# KiCad board AOML_AB_3.0_reorganized-v1.kicad_pcb (continued)
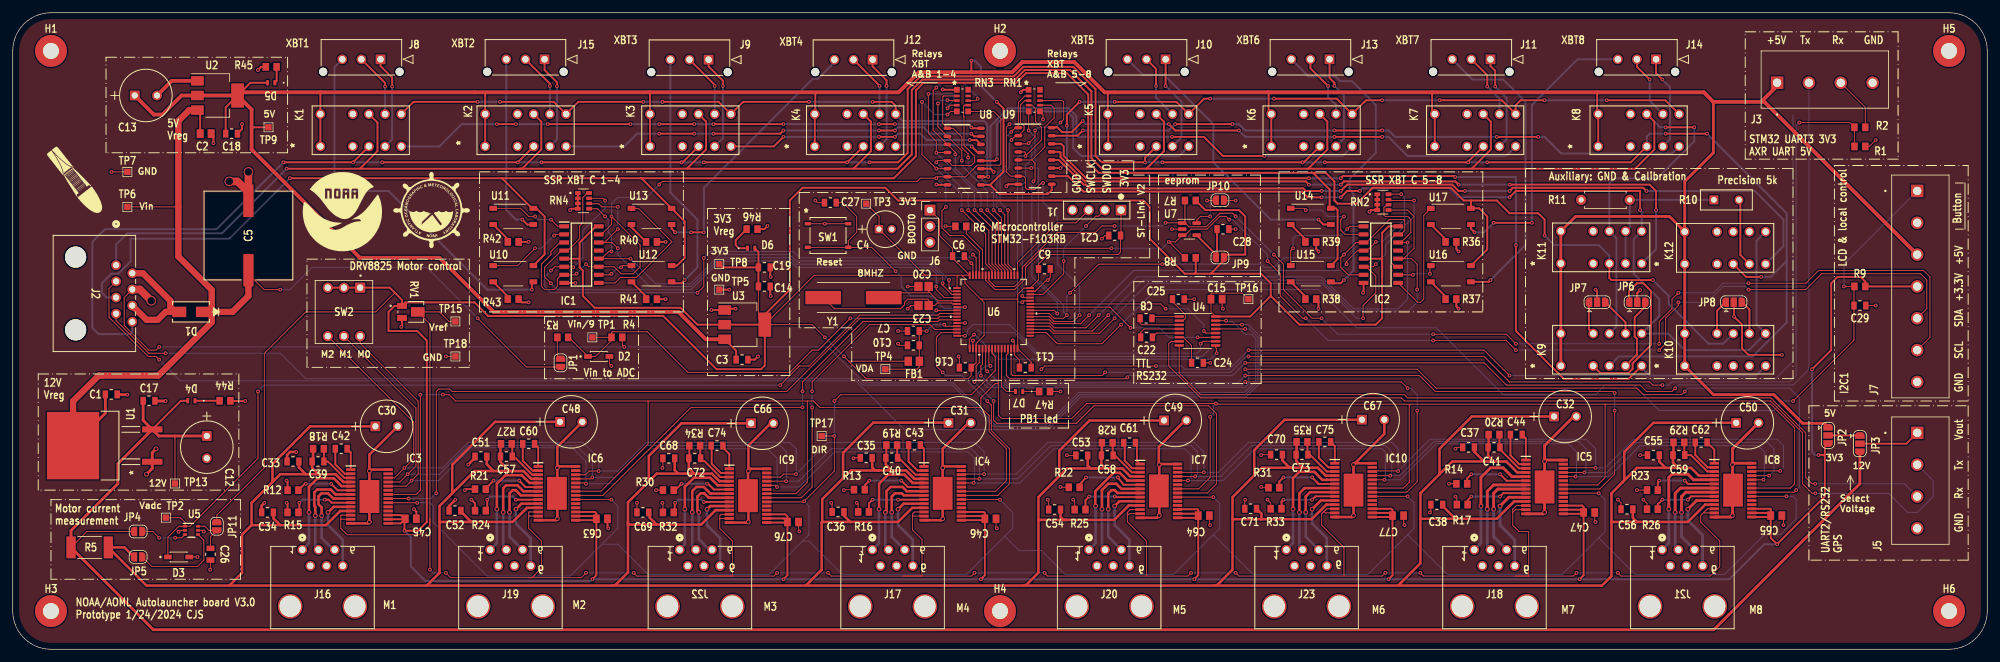
[diagram p0: board, top side]
## Routing (per net, layer and track width the routed paths; a pad name or vN(x,y) marks a point on that pad's centre or on a via; arc(x,y) is an arc through that point) (continued)
xbt_A: length 408.4
  Top w0.3: v1(134.5,76.5) 139,76.5 140.5,78 140.5,88 142.5,90 157.17,90 158.67,91.5 166.5,91.5 170,88 170,77.5 171,76.5 v1(177.75,76.5) 177.75,77.21 K5.4 ; v1(42.5,76.5) v1(53.42,76.5) K1.4 ; v1(259.5,81) v1(266,81) ; K7.4 228.5,76.62 v1(228.5,76.5) v1(206,76.5) ; v1(180.5,76.5) v1(202.5,76.5) 202.71,76.5 K6.4 ; v1(108.5,76.5) v1(131,76.5) 131.04,76.5 K4.4 ; v1(83,76.5) v1(105,76.5) 105.17,76.5 K3.4 ; K2.4 v1(79.29,76.5) v1(58,76.5) ; v1(274.5,58.5) 272.14,58.5 K12.4 ; K8.4 254.04,76.5 v1(231.5,76.5)
  Bottom w0.3: v1(259.5,81) 257,81 256.54,80.54 K8.4 ; v1(231.5,76.5) v1(228.5,76.5) ; v1(53.42,76.5) v1(58,76.5) ; v1(180.5,76.5) v1(177.75,76.5) ; J2.8 18.77,49.77 18.5,49.5 13.5,49.5 12.5,50.5 12.5,64 14.5,66 32,66 v1(42.5,76.5) ; v1(266,81) 278.5,68.5 278.5,61 ; v1(134.5,76.5) v1(131,76.5) ; v1(108.5,76.5) v1(105,76.5) ; 278.5,61 278.5,51.33 273.17,46 252.15,46 K9.4 ; 278.5,61 276,58.5 v1(274.5,58.5) ; v1(206,76.5) v1(202.5,76.5) ; v1(83,76.5) v1(79.29,76.5)
xbt_B: length 405.4
  Top w0.3: K4.9 134.73,82.89 134.73,78.23 132,75.5 ; v1(259.5,82) v1(264,82) ; 178,75.5 171,75.5 169.35,77.15 169.35,87.65 166,91 158.88,91 157.38,89.5 142.79,89.5 141.15,87.86 141.15,77.73 138.92,75.5 132,75.5 ; 178,75.5 180.73,78.23 180.73,82.89 K5.9 ; 178,75.5 203.39,75.5 ; K1.9 57.27,82.73 57.27,78.27 54.5,75.5 ; 229.06,75.5 203.39,75.5 ; 229.06,75.5 254.72,75.5 257.73,78.51 257.73,82.89 K8.9 ; 229.06,75.5 232.06,78.51 232.06,82.89 K7.9 ; 79.5,75.5 105.85,75.5 108.85,78.51 108.85,82.89 K3.9 ; 54.5,75.5 80,75.5 80,75.53 82.98,78.51 82.98,82.89 K2.9 ; 54.5,75.5 v1(43,75.5) ; 203.39,75.5 206.4,78.51 206.4,82.89 K6.9 ; 132,75.5 106,75.5 105.92,75.58
  Bottom w0.3: v1(259.5,82) 258.62,82 K8.9 ; J2.1 16.23,63.58 18,65.35 32.85,65.35 v1(43,75.5) ; K9.9 251.78,50.71 251.78,64.57 K11.9 250.67,73.17 251.5,74 258.2,74 264,79.8 v1(264,82)
xbt_C: length 380.7
  Top w0.3: U12.6 104.27,60.27 105.5,61.5 105.5,67.21 U13.6 98.71,74 98.5,74 ; v1(240.5,65) 240.5,67.5 239.5,68.5 235,68.5 233,70.5 228.94,70.5 ; 228.94,70.5 U17.6 230.23,69.27 231.5,68 231.5,62.83 U16.6 ; 228.94,70.5 227.79,70.5 225.79,72.5 213.5,72.5 211,70 208,70 207.5,70.5 207.5,73.5 206.15,74.85 170.5,74.85 168.85,76.5 168.85,87.15 165.5,90.5 159.08,90.5 157.58,89 143,89 141.8,87.8 141.8,77.46 138.34,74 98.5,74 ; v1(257.5,58) 251,58 250.67,58.33 K11.4 ; 98.5,74 76.8,74 ; 76.8,74 v1(43.5,74) ; 76.8,74 81.53,69.27 U11.6 82.23,69.27 83.5,68 83.5,62.04 U10.6 ; U15.6 208,61.32 208,69 207.73,69.27 U14.6 206.75,69.47 206.75,72.25 204.15,74.85
  Top w0.45: U17.6 228.73,69.27
  Bottom w0.3: K10.9 268.52,48 266.25,48 260,54.25 260,55.5 v1(257.5,58) ; J2.5 14.74,55.26 14,56 14,57.5 15.5,59 16.57,59 18.5,60.93 18.5,64.5 34,64.5 v1(43.5,74) ; K11.4 250.67,61.83 249,63.5 242,63.5 v1(240.5,65)
Net-(D4-K): length 3.9
  Top w0.3: D4.1 R44.2
Net-(D5-K): length 2.6
  Top w0.3: D5.1 41.44,89.29 R45.2
Net-(D6-K): length 5.3
  Top w0.3: D6.1 114,63 113.5,63.5 113.5,64.27 R46.2
Net-(D7-A): length 8.5
  Top w0.15: U6.27 155.25,41.25 156,40.5 D7.2
Net-(D7-K): length 2.6
  Top w0.15: R47.2 D7.1
Net-(IC1-Q1): length 13.2
  Top w0.15: v1(85,65) 85.18,65.17 IC1.2 ; U10.1 79.27,60.27 v1(82,63)
  Bottom w0.15: v1(82,63) 83,63 v1(85,65)
Net-(IC1-Q2): length 22.7
  Top w0.15: IC1.9 94.56,57.56 95.41,58.41 97.91,58.41 103.5,64 98.23,69.27 U13.1
Net-(IC1-Q3): length 5.7
  Top w0.15: v1(94,59) 93.82,58.83 IC1.10 ; U12.1 95.77,60.27 v1(95.5,60)
  Bottom w0.15: v1(95.5,60) 95,60 v1(94,59)
Net-(IC1-Q4): length 12.3
  Top w0.15: U11.1 79.73,69.27 81,68 v1(82,68) ; v1(84.5,67.5) 85.56,66.44 IC1.1
  Bottom w0.15: v1(84.5,67.5) 82.5,67.5 v1(82,68)
Net-(IC2-Q1): length 15.1
  Top w0.15: v1(209,68) 208.5,67.5 208.5,65.84 209.17,65.17 IC2.2 ; U14.1 202.73,69.27 v1(203,69)
  Bottom w0.15: v1(209,68) 206.5,68 205.5,69 v1(203,69)
Net-(IC2-Q2): length 20.2
  Top w0.15: IC2.9 220.56,54.5 221,54.5 221.52,55.03 221.52,68.15 222.64,69.27
Net-(IC2-Q3): length 6.4
  Top w0.15: 222.64,60.27 222.5,60.12 v1(222.5,59) ; v1(219.82,58.83) IC2.10
  Bottom w0.15: v1(219.82,58.83) 220,59 v1(222.5,59)
Net-(IC2-Q4): length 16.3
  Top w0.15: v1(201,63) 200.65,62.65 U15.1 ; v1(209.5,66) 209.94,66.44 IC2.1
  Bottom w0.15: v1(209.5,66) 208.5,65 201.5,65 201,64.5 v1(201,63)
Net-(IC3-AOUT1): length 17.9
  Top w0.4: IC3.5 51.63,25.62 50.41,26.85 47.85,26.85 46.5,25.5 v2(46.5,21.5)
  Bottom w0.4: v2(46.5,21.5) 46.5,16.68 J16.1
Net-(IC3-AOUT2): length 15.5
  Top w0.4: v2(47.5,21) 47.5,22.37 47.35,22.52 47.35,24.65 47.8,25.1 49.9,25.1 50.67,24.32 IC3.7
  Bottom w0.4: J16.3 47.5,16.14 v2(47.5,21)
Net-(IC3-BOUT1): length 13.3
  Top w0.4: IC3.10 50.38,22.38 v2(49.5,21.5)
  Bottom w0.4: v2(49.5,21.5) 49.5,19.5 51.81,17.19 J16.6
Net-(IC3-BOUT2): length 15.1
  Top w0.4: v2(48.5,21) 48.5,22.29 48,22.79 48,24 48.5,24.5 49.5,24.5 50.33,23.68 IC3.8
  Bottom w0.4: v2(48.5,21) 48.5,17.47 50.33,15.64 J16.5
Net-(IC3-CP1): length 3.5
  Top w0.3: IC3.1 53.06,30.94 C42.2
Net-(IC3-CP2): length 5.5
  Top w0.3: C42.1 50.64,29.05 52.12,27.57 IC3.2
Net-(IC3-ISENA): length 9
  Top w0.3: IC3.6 51.03,24.97 v1(50,26) ; v1(46,26) 45.85,26 R12.2
  Bottom w0.3: v1(50,26) v1(46,26)
Net-(IC3-ISENB): length 10
  Top w0.3: IC3.9 50.05,23.03 49.58,23.5 v1(49,23.5) ; v1(45,23) 45,21.65 R15.2
  Bottom w0.3: v1(45,23) 45.5,23.5 v1(49,23.5)
Net-(IC3-VCP): length 7.3
  Top w0.3: IC3.3 52.06,26.93 49.49,29.5 C39.2 48.86,31.5 R18.1
Net-(IC4-AOUT1): length 19
  Top w0.4: IC4.5 141.3,26.12 139.99,27.44 137.44,27.44 136.02,26.02 136.02,22.02 v2(136,22)
  Bottom w0.4: J17.1 136,16.68 v2(136,22)
Net-(IC4-AOUT2): length 15.9
  Top w0.4: IC4.7 140.36,24.82 139.69,25.5 137.82,25.5 137.18,24.86 137.18,21.68 v2(137,21.5)
  Bottom w0.4: v2(137,21.5) 137,16.14 J17.3
Net-(IC4-BOUT1): length 14.3
  Top w0.4: IC4.10 139.88,22.88 v2(139,22)
  Bottom w0.4: J17.6 141.31,17.19 139,19.5 v2(139,22)
Net-(IC4-BOUT2): length 14.6
  Top w0.4: v2(138,21.5) 138,24 138.5,24.5 139.58,24.5 139.91,24.18 IC4.8
  Bottom w0.4: v2(138,21.5) 138,17.68 J17.5
Net-(IC4-CP1): length 3.6
  Top w0.3: IC4.1 143.06,31.51 C43.2
Net-(IC4-CP2): length 5.6
  Top w0.3: IC4.2 142.05,28.07 140.64,29.48 C43.1
Net-(IC4-ISENA): length 10.7
  Top w0.3: IC4.6 140.53,25.47 v1(139.5,26.5) ; v1(134.5,26.5) 133.78,25.78 R13.2
  Bottom w0.3: v1(139.5,26.5) v1(134.5,26.5)
Net-(IC4-ISENB): length 10.2
  Top w0.3: R16.2 134.42,22.92 v1(135,23.5) ; IC4.9 143.04,23.5 v1(139,23.5)
  Bottom w0.3: v1(139,23.5) v1(135,23.5)
Net-(IC4-VCP): length 7.3
  Top w0.3: R19.1 138.85,30.15 C40.2 139.09,30.07 141.74,27.43 IC4.3
Net-(IC5-AOUT1): length 20
  Top w0.45: IC5.5 235.38,27.12 234,28.5 232,28.5 230.5,27 v2(230.5,22.5)
  Bottom w0.45: v2(230.5,22.5) 230.5,16.68 J18.1
Net-(IC5-AOUT2): length 15.9
  Top w0.45: IC5.7 232.5,25.82 231.5,24.82 v2(231.5,22)
  Bottom w0.45: v2(231.5,22) 231.5,16.14 J18.3
Net-(IC5-BOUT1): length 15
  Top w0.45: v2(233.5,22.5) 234.88,23.88 IC5.10
  Bottom w0.45: J18.6 235.81,17.19 233.5,19.5 v2(233.5,22.5)
Net-(IC5-BOUT2): length 15
  Top w0.45: v2(232.5,22) 232.5,24.5 233.18,25.18 IC5.8
  Bottom w0.45: J18.5 232.5,17.68 v2(232.5,22)
Net-(IC5-CP1): length 4.2
  Top w0.3: IC5.1 237.56,33.15 C44.2
Net-(IC5-CP2): length 6.3
  Top w0.3: IC5.2 236.52,29.07 235.13,30.47 C44.1
Net-(IC5-ISENA): length 10.8
  Top w0.3: R14.2 228.35,26.85 v1(229,27.5) ; v1(233.5,27.5) 234.52,26.47 IC5.6
  Bottom w0.3: v1(233.5,27.5) v1(229,27.5)
Net-(IC5-ISENB): length 10.3
  Top w0.3: IC5.9 234.02,24.53 v1(233.5,24) ; R17.2 228.42,23.42 v1(229,24)
  Bottom w0.3: v1(233.5,24) v1(229,24)
Net-(IC5-VCP): length 7.7
  Top w0.3: R20.1 233.41,31.8 C41.2 233.49,31.4 236.47,28.43 IC5.3
Net-(IC6-AOUT1): length 18.4
  Top w0.4: v2(76,22) 76,26 77.35,27.35 79.91,27.35 81.13,26.12 IC6.5
  Bottom w0.4: v2(76,22) 76,16.68 J19.1
Net-(IC6-AOUT2): length 16.1
  Top w0.4: 77.09,21.59 v2(77,21.5) 77,25.3 77.45,25.75 79.25,25.75 80.18,24.82 IC6.7
  Bottom w0.4: J19.3 77,16.14 v2(77,21.5)
Net-(IC6-BOUT1): length 13.7
  Top w0.4: IC6.10 79.88,22.88 v2(79,22)
  Bottom w0.4: J19.6 81.31,17.44 79,19.75 v2(79,22)
Net-(IC6-BOUT2): length 14.8
  Top w0.4: IC6.8 79.78,24.18 78.95,25 78.5,25 78,24.5 v2(78,21.5)
  Bottom w0.4: v2(78,21.5) 78,17.68 J19.5
Net-(IC6-CP1): length 3.8
  Top w0.3: IC6.1 82.5,31.7 C60.2
Net-(IC6-CP2): length 5.7
  Top w0.3: IC6.2 81.62,28.07 80.07,29.62 C60.1
Net-(IC6-ISENA): length 9.3
  Top w0.3: v1(79.5,26.5) 80.53,25.47 IC6.6 ; R21.2 74.28,25.28 v1(75.5,26.5)
  Bottom w0.3: v1(79.5,26.5) v1(75.5,26.5)
Net-(IC6-ISENB): length 10.2
  Top w0.3: v1(74.5,23.5) 74.5,22 R24.2 ; v1(79,23.5) 82.47,23.5 IC6.9
  Bottom w0.3: v1(79,23.5) 78.5,24 75,24 v1(74.5,23.5)
Net-(IC6-VCP): length 7.3
  Top w0.3: R27.1 78.43,32.2 C57.2 78.7,30 78.99,30 81.56,27.43 IC6.3
Net-(IC7-AOUT1): length 18.4
  Top w0.4: v2(170,22.5) 169.96,22.54 169.96,24.84 172.84,27.72 173.8,27.72 175,26.53 175,26.5 IC7.5
  Bottom w0.4: v2(170,22.5) 170,16.68 J20.1
Net-(IC7-AOUT2): length 16.4
  Top w0.4: 171,21.89 v2(171,22) 171,25 172,26 173.27,26 174.07,25.2 IC7.7
  Bottom w0.4: v2(171,22) 171,16.14 J20.3
Net-(IC7-BOUT1): length 14.7
  Top w0.4: IC7.10 173.75,23.25 v2(173,22.5)
  Bottom w0.4: J20.6 175.31,17.19 173,19.5 v2(173,22.5)
Net-(IC7-BOUT2): length 15.1
  Top w0.4: v2(172,22) 172,24.5 172.5,25 173,25 173.45,24.55 IC7.8
  Bottom w0.4: J20.5 172,17.68 v2(172,22)
Net-(IC7-CP1): length 3.5
  Top w0.3: 176.44,32.4 176.5,32.34 176.5,29.6 IC7.1
Net-(IC7-CP2): length 5.8
  Top w0.3: C61.1 174.58,32.28 174.58,29.62 175.76,28.45 IC7.2
Net-(IC7-ISENA): length 11
  Top w0.3: v1(168.5,27) 167.5,25.89 R22.2 ; v1(173.5,27) 174.41,25.85 IC7.6
  Bottom w0.3: v1(173.5,27) v1(168.5,27)
Net-(IC7-ISENB): length 10.3
  Top w0.3: v1(169,24) 168.42,23.42 R25.2 ; IC7.9 174.1,23.9 ; 174.07,23.9 173.1,23.9 v1(173,24)
  Bottom w0.3: v1(173,24) v1(169,24)
Net-(IC7-VCP): length 7.8
  Top w0.3: 173.02,30.4 172.87,30.4 172.69,30.57 ; R28.1 172.69,30.53 C58.2 173.05,30.45 175.7,27.8 IC7.3
Net-(IC8-AOUT1): length 19.5
  Top w0.45: v2(260,22) 260,27 260.5,27.5 263,27.5 263.88,26.62 IC8.5
  Bottom w0.45: v2(260,22) 260,16.68 J21.1
Net-(IC8-AOUT2): length 15.6
  Top w0.45: IC8.7 261.82,25.32 261,24.5 v2(261,21.5)
  Bottom w0.45: J21.3 261,16.14 v2(261,21.5)
Net-(IC8-BOUT1): length 14.6
  Top w0.45: v2(263,22) 264.38,23.38 IC8.10
  Bottom w0.45: J21.6 265.31,17.94 263,20.25 v2(263,22)
Net-(IC8-BOUT2): length 14.6
  Top w0.45: v2(262,21.5) 262,24 262.68,24.68 IC8.8
  Bottom w0.45: J21.5 262,17.68 v2(262,21.5)
Net-(IC8-CP1): length 3.7
  Top w0.3: IC8.1 267.15,31.37 C62.2
Net-(IC8-CP2): length 5.8
  Top w0.3: C62.1 264.16,30.53 266.11,28.57 IC8.2
Net-(IC8-ISENA): length 10.5
  Top w0.3: v1(262.5,26.5) 263.02,25.97 IC8.6 ; v1(258.5,26.5) 258.28,26.28 R23.2
  Bottom w0.3: v1(262.5,26.5) v1(258.5,26.5)
Net-(IC8-ISENB): length 10.2
  Top w0.3: R26.2 258.28,22.78 v1(259,23.5) ; IC8.9 263.52,24.03 v1(263,23.5)
  Bottom w0.3: v1(263,23.5) v1(259,23.5)
Net-(IC8-VCP): length 7.7
  Top w0.3: R29.1 262.44,30.58 C59.2 263.48,30.5 266.05,27.93 IC8.3
Net-(IC9-AOUT1): length 18.3
  Top w0.4: IC9.5 110.68,25.75 109.49,26.94 106.94,26.94 105.52,25.52 v2(105.52,22)
  Bottom w0.4: J22.1 105.52,16.45 v2(105.52,22)
Net-(IC9-AOUT2): length 16
  Top w0.4: IC9.7 109.55,24.45 108.5,25.5 107.32,25.5 106.68,24.86 v2(106.68,21.5)
  Bottom w0.4: v2(106.68,21.5) 106.68,16.21 J22.3
Net-(IC9-BOUT1): length 13.5
  Top w0.4: IC9.10 109.5,22.5 v2(109,22)
  Bottom w0.4: v2(109,22) 109,19.5 111.06,17.44 J22.6
Net-(IC9-BOUT2): length 15.1
  Top w0.4: v2(107.72,21.5) 107.5,21.72 107.5,24 108,24.5 108.57,24.5 109.26,23.8 IC9.8
  Bottom w0.4: v2(107.72,21.5) 107.72,17.28 109.36,15.64 J22.5
Net-(IC9-CP1): length 3.6
  Top w0.3: IC9.1 112.5,30.67 111.59,31.59
Net-(IC9-CP2): length 5.8
  Top w0.3: IC9.2 111.17,27.7 109.73,29.14 109.73,31.59
Net-(IC9-ISENA): length 9.6
  Top w0.3: v1(109,26) 109.17,26 110.07,25.1 IC9.6 ; v1(105,26) 104,25 103.85,25 103.94,25.09
  Bottom w0.3: v1(109,26) v1(105,26)
Net-(IC9-ISENB): length 10.4
  Top w0.3: v1(104,23) 103.94,22.94 103.94,21.59 ; 112.46,23.11 IC9.9 109.1,23.15 109.1,23.15 v1(108.5,23.15)
  Bottom w0.3: v1(104,23) 104.5,23.5 108.15,23.5 v1(108.5,23.15)
Net-(IC9-VCP): length 7.6
  Top w0.3: 107.94,31.59 107.94,31.58 107.94,29.59 108.58,29.59 111.11,27.05 IC9.3
Net-(IC10-AOUT1): length 19.2
  Top w0.4: v2(201,22) 201,26.89 201.99,27.87 204.35,27.87 205.61,26.61 206.34,26.61 206.35,26.62 IC10.5
  Bottom w0.4: J23.1 201,16.68 v2(201,22)
Net-(IC10-AOUT2): length 15
  Top w0.4: v2(202,21.5) 202,24.5 202.82,25.32 IC10.7
  Bottom w0.4: J23.3 202,16.14 v2(202,21.5)
Net-(IC10-BOUT1): length 14
  Top w0.4: IC10.10 205.38,23.38 v2(204,22)
  Bottom w0.4: v2(204,22) 204,19.75 206.31,17.44 J23.6
Net-(IC10-BOUT2): length 14
  Top w0.4: IC10.8 203.68,24.68 203,24 v2(203,21.5)
  Bottom w0.4: v2(203,21.5) 203,17.68 J23.5
Net-(IC10-CP1): length 3.8
  Top w0.3: IC10.1 207.56,31.93 C75.2 206.99,32.57 207.05,32.51
Net-(IC10-CP2): length 5.7
  Top w0.3: IC10.2 206.55,28.57 205.06,30.07 C75.1 205.04,32.57 205.03,32.56
Net-(IC10-ISENA): length 10.7
  Top w0.3: v1(199.5,27) 198.85,26.35 R31.2 ; 204.75,26.25 204.99,26 ; 204.75,26.25 205.02,25.97 IC10.6 ; 204.75,26.25 v1(204,27)
  Bottom w0.3: v1(204,27) v1(199.5,27)
Net-(IC10-ISENB): length 9.8
  Top w0.3: v1(199.5,23.5) 199.2,23.2 R33.2 ; 207.55,24.01 IC10.9 204.52,24.03 v1(204,23.5)
  Bottom w0.3: v1(204,23.5) v1(199.5,23.5)
Net-(IC10-VCP): length 7.7
  Top w0.3: 203.64,30.51 203.48,30.51 203.31,30.68 ; R35.1 203.27,30.68 203.38,30.56 203.66,30.56 206.3,27.93 IC10.3
Net-(J3-Pin_3): length 8.6
  Top w0.15: J3.3 290.85,85.15 R2.2
Net-(J5-Pin_1): length 9.7
  Top w0.3: J5.1 297.3,32.3 JP3.2
Net-(J6-Pin_2): length 4
  Top w0.15: v1(146.46,66.46) 146.48,66.44 R6.1
  Bottom w0.15: v1(146.46,66.46) J6.2
Net-(J7-Pin_1): length 177.4
  Top w0.15: v1(279.5,39) 289.07,48.57 C29.1 289.07,56.92 R9.1 v1(287.5,57) ; U6.34 162.25,49.75 164,48 171,48 v1(174,51)
  Bottom w0.15: J7.1 287.5,60.5 v1(287.5,57) ; v1(174,51) 179,56 179,56.5 205,56.5 211,50.5 223.5,50.5 234,40 248.5,40 250,41.5 254.5,41.5 258.5,37.5 276.5,37.5 278,39 v1(279.5,39)
Net-(JP1-A): length 3.6
  Top w0.15: R3.2 85.5,46.15 JP1.1
Net-(JP2-C): length 5
  Top w0.3: JP2.2 JP3.1
Net-(JP4-B): length 7.3
  Top w0.15: U5.3 26.51,17.5 v1(25.5,17.5) ; v1(23,17.5) 22,18.5 JP4.2
  Bottom w0.15: v1(23,17.5) v1(25.5,17.5)
Net-(JP5-B): length 15.1
  Top w0.15: U5.4 30,17.12 30,14 29,13 21.84,13 JP5.2
Net-(JP6-A): length 26.5
  Top w0.3: K9.3 249.24,43.41 253.67,43.41 254.32,44.06 254.32,44.92 257.2,47.8 257.2,56.3 256,57.5 255,57.5 253.75,56.25 JP6.1
Net-(JP6-B): length 11.6
  Top w0.3: K9.5 255,46.31 255,48.78 254.64,49.14 254.64,52.16 256.35,53.87 JP6.3
Net-(JP7-A): length 5.2
  Top w0.3: JP7.1 247.45,50.28 K9.10
Net-(JP7-B): length 6.2
  Top w0.3: JP7.3 253.21,51.36 K9.8
Net-(JP8-A): length 5.5
  Top w0.3: JP8.1 267.58,53.2 K10.10
Net-(JP8-B): length 5.4
  Top w0.3: JP8.3 272.66,53.36 K10.8
Net-(JP9-A): length 9.3
  Top w0.3: C28.1 189.07,61.74 JP9.1 188.88,62.05 U7.4
Net-(JP10-A): length 6.9
  Top w0.15: v1(187.5,70.5) 188.83,70.5 JP10.1 ; U7.5 185.88,67.4 186.48,68 v1(188,68)
  Bottom w0.15: v1(188,68) 188,70 v1(187.5,70.5)
Net-(JP11-B): length 6.5
  Top w0.15: U5.6 30.17,19.33 30.82,18.68 JP11.2 31.04,17.68 C26.1
Net-(K1--_1): length 92.7
  Top w0.3: v1(121,82.5) v1(110,82.5) ; v1(76,82.5) v1(79,82.5) ; v1(136,82.5) v1(138.5,82.5) ; v1(150.5,82) 150.65,81.85 U8.16 ; v1(101.5,82.5) v1(107,82.5) ; v1(84,82.5) v1(97,82.5)
  Bottom w0.3: v1(76,82.5) 70.5,82.5 67,79 K1.6 ; v1(107,82.5) v1(110,82.5) ; v1(121,82.5) v1(136,82.5) ; v1(79,82.5) v1(84,82.5) ; v1(97,82.5) v1(101.5,82.5) ; v1(138.5,82.5) 150,82.5 v1(150.5,82)
Net-(K2--_1): length 67
  Top w0.3: v1(110,81) 120.5,81 v1(121,81.5) ; U8.15 150.92,80.58 v1(150.5,81) ; v1(101.5,81) v1(107,81) ; v1(136,81.5) v1(138.5,81.5)
  Bottom w0.3: v1(121,81.5) v1(136,81.5) ; v1(138.5,81.5) 139,82 143,82 144,81 v1(150.5,81) ; v1(107,81) v1(110,81) ; v1(101.5,81) 98,81 96,79 K2.6
Net-(K3--_1): length 40.8
  Top w0.3: v1(150.25,80) 151.31,80 U8.14 ; v1(121,80.5) 119.5,79 K3.6 ; v1(138.5,80.5) v1(136,80.5)
  Bottom w0.3: v1(121,80.5) v1(136,80.5) ; v1(150.25,80) 143.5,80 142.5,81 139,81 v1(138.5,80.5)
Net-(K4--_1): length 14
  Top w0.3: U8.13 151.51,78.04 v1(150.55,79)
  Bottom w0.3: v1(150.55,79) 150.3,79.25 138.87,79.25 K4.6
Net-(K5--_1): length 45.5
  Top w0.3: v1(154.5,77) 154.25,76.75 152.02,76.75 U8.12
  Bottom w0.3: K5.6 183.12,77.5 167.75,77.5 166.5,78.75 166.5,83.54 165.54,84.5 156.5,84.5 154.5,82.5 v1(154.5,77) 154.5,77.1
Net-(K6--_1): length 73.1
  Top w0.3: v1(196.5,77.5) 190,77.5 187,80.5 v1(182,80.5) ; U8.11 153.5,75.5 v1(154,75)
  Bottom w0.3: v1(196.5,77.5) 208.79,77.5 K6.6 ; v1(182,80.5) 167.25,80.5 167,80.75 167,83.75 165.75,85 156.29,85 153.5,82.21 153.5,75.5 v1(154,75)
Net-(K7--_1): length 76.8
  Top w0.3: v1(168,83) 166.25,81.25 164.75,81.25 164,82 163.18,82 U9.16 ; v1(181.5,82.5) 182.5,81.5 v1(192.5,81.5) ; v1(215,80.5) v1(207.5,80.5)
  Bottom w0.3: v1(207.5,80.5) 193.5,80.5 v1(192.5,81.5) ; v1(181.5,82.5) 168.5,82.5 v1(168,83) ; K7.6 234.46,77.5 219,77.5 216,80.5 v1(215,80.5)
Net-(K8--_1): length 101.6
  Top w0.3: v1(191.5,82.5) v1(182.5,82.5) ; v1(215,81.5) v1(207.5,81.5) ; U9.15 167.18,80.67 v1(168,81.5) ; v1(239.5,80.5) v1(233,80.5)
  Bottom w0.3: v1(168,81.5) 181.5,81.5 v1(182.5,82.5) ; v1(207.5,81.5) 193.5,81.5 192.5,82.5 v1(191.5,82.5) ; v1(239.5,80.5) 240.5,80.5 243.11,77.89 260.51,77.89 K8.6 ; v1(215,81.5) 216,81.5 217,80.5 v1(233,80.5)
Net-(K10--_1): length 144.9
  Top w0.3: K9.6 253.73,42.5 243.5,42.5 236,50 v1(236,63.5) ; v1(226.45,74.2) 226.3,74.35 208.85,74.35 v1(208.5,74) ; v1(203.5,74) 168.53,74 165,77.53 165,79 164.59,79.41 U9.14
  Bottom w0.3: v1(203.5,74) v1(208.5,74) ; v1(236,63.5) 236,74.2 v1(226.45,74.2) ; K9.6 255.75,44.25 257,43 273.68,43 K10.6
Net-(K11--_1): length 110.6
  Top w0.3: v1(208.5,73) 209,73.5 226.5,73.5 v1(227,73) ; v1(235,73) 257,73 258,72 v1(258,69) ; U9.13 164.37,78.14 164.5,78 164.5,77.32 168.32,73.5 203,73.5 v1(203.5,73)
  Bottom w0.3: K11.6 258,62.85 v1(258,69) ; v1(227,73) v1(235,73) ; v1(203.5,73) v1(208.5,73)
Net-(K11-NO_1): length 23.5
  Bottom w0.3: K11.5 K11.8 253.86,66.33 R11.2 R10.1
Net-(K12--_1): length 128.1
  Top w0.3: v1(235,72) 235.5,72.5 256,72.5 v1(256.5,72) ; v1(208.5,72) 209.5,73 226,73 227,72 v1(228,72) ; v1(205.5,72) 203,72 202.6,72.4 169.1,72.4 168.5,73 168.12,73 164.25,76.86 U9.12
  Bottom w0.3: v1(228,72) v1(235,72) ; v1(205.5,72) v1(208.5,72) ; v1(256.5,72) 273.5,72 278,67.5 278,63.32 K12.6
Net-(K12-NO_1): length 10.8
  Top w0.3: R10.2 271.23,70.39 271.23,61.95 K12.5
Net-(R36-Pad1): length 3.7
  Top w0.3: R36.1 224.95,64.43 222.64,66.73
Net-(R37-Pad1): length 3.7
  Top w0.3: R37.1 224.94,55.43 222.64,57.73
Net-(R38-Pad1): length 3.7
  Top w0.3: R38.1 202.94,55.44 U15.3
Net-(R39-Pad1): length 3.7
  Top w0.3: R39.1 202.94,64.43 U14.3
Net-(R40-Pad1): length 3.7
  Top w0.3: U13.3 97.14,66.3 R40.1
Net-(R41-Pad1): length 3.7
  Top w0.3: R41.1 99.44,55.43 U12.3
Net-(R42-Pad1): length 3.7
  Top w0.3: U11.3 77.73,64.43 R42.1
Net-(R43-Pad1): length 3.7
  Top w0.3: R43.1 77.73,55.43 U10.3
Net-(SW1-A): length 40.4
  Top w0.15: v1(138.61,59.39) 134.85,63.15 SW1.4 ; SW1.3 SW1.4 ; SW1.4 131.18,64.18 132.5,65.5 132.5,68 130.33,70.17 C27.2 ; v1(149.5,53.75) U6.7
  Bottom w0.15: v1(149.5,53.75) 149.25,53.5 146.25,53.5 144.25,55.5 141,55.5 139.5,57 139.5,58.5 v1(138.61,59.39)
Net-(U4-C1+): length 4.4
  Top w0.15: C8.1 179.13,52.28 U4.1
Net-(U4-C1-): length 7
  Top w0.15: C8.2 177,51.22 177.25,50.97 U4.3
Net-(U4-C2+): length 7.1
  Top w0.15: C22.1 177.07,49.78 177.62,50.32 U4.4
Net-(U4-C2-): length 4.5
  Top w0.15: U4.5 179.6,49.68 C22.2
Net-(U4-VS+): length 5
  Top w0.15: C25.1 182.07,54.61 184.15,52.53 184.15,52.02 183.76,51.62 U4.2
Net-(U4-VS-): length 5.2
  Top w0.15: U4.6 183.76,49.03 185.07,47.71 C24.1
Net-(U6-BOOT0): length 8.7
  Top w0.15: R6.2 149.7,65.3 152.25,62.75 U6.60
Net-(U6-PC0): length 74.3
  Top w0.15: v1(131.5,52) 126.5,47 125.51,47 122.01,43.5 106,43.5 99.62,49.88 94.12,49.88 94,49.76 R4.1 ; R4.1 TP1.1 ; R4.1 94,48.5 91.5,46 D2.K 87.32,49 R3.1 ; v1(145,53.25) U6.8
  Bottom w0.15: v1(145,53.25) 143.75,52 v1(131.5,52)
Net-(U6-PC1): length 151.6
  Top w0.15: D3.K 24.36,17.6 26.09,19.33 U5.1 ; U6.9 145.52,52.75 145.27,52.5 133,52.5 125,44.5 123.5,44.5 v1(120.5,41.5) ; U5.1 27.04,19.96 26.32,20.68 TP2.1 ; U5.1 27.83,19.33 38.5,30 v1(38.5,40.5)
  Bottom w0.15: v1(38.5,40.5) 39.5,41.5 v1(120.5,41.5)
Net-(U6-PD0): length 14.1
  Top w0.15: U6.5 145.25,54.75 143.8,56.2 C20.1 143.8,56.13 143.68,56 137.5,56 Y1.1
Net-(U6-PD1): length 23.7
  Top w0.15: Y1.2 129,53.5 139.4,53.5 140,54.1 140,54.5 140.5,55 143.68,55 143.8,54.87 C23.1 144.75,54 145.15,54.4 147.38,54.4 147.53,54.25 U6.6

## Copper pours and planes (outline as drawn; the poured copper is in the pictures)
GND on Bottom: 0,100 310,100 310,0 0,0
(no net) on Top: 0,100 310,100 310,0 0,0

## Text on the board
B.Silkscreen: Stepper connection / 1- RED * (A) / 2- White / 3- Black (A) / 4- White / 5- Green (B) / 6- Blue * (B)
User.Comments: track 0.4 mm 1.2A max / 0.6 mm 1.6A
F.Silkscreen: GND | Vin | Vadc | 12V | 5V | M2 M1 M0 | Vref | Vin/9 | 3V3 | DIR | Reset | VDA | 8MHZ | Relays / XBT / A&B 1-4 | Relays / XBT / A&B 5-8 | Select / Voltage | BOOT0 | ST-Link V2 | 12V / Vreg | Motor current / measurement | 5V / Vreg | XBT1 | DRV8825 Motor control | XBT2 | SSR XBT C 1-4 | Vin to ADC | XBT3 | 3V3 / Vreg | XBT4 | Microcontroller / STM32-F103RB | PB1 led | XBT5 | TTL / RS232 | eeprom | XBT6 | SSR XBT C 5-8 | XBT7 | Auxiliary: GND & Calibration | XBT8 | STM32 UART3 3V3 / AXR UART 5V | NOAA/AOML Autolauncher board V3.0 / Prototype 1/24/2024 CJS | M1 | M2 | M3 | M4 | M5 | M6 | M7 | Precision 5k | M8 | +5V | Tx | Rx | UART2/RS232 / GPS | LCD & local control | I2C1 | SWCLK | SWDIO | Button | +3.3V | SDA | SCL | Vout
